# KiCad board final-cu.kicad_pcb (continued)
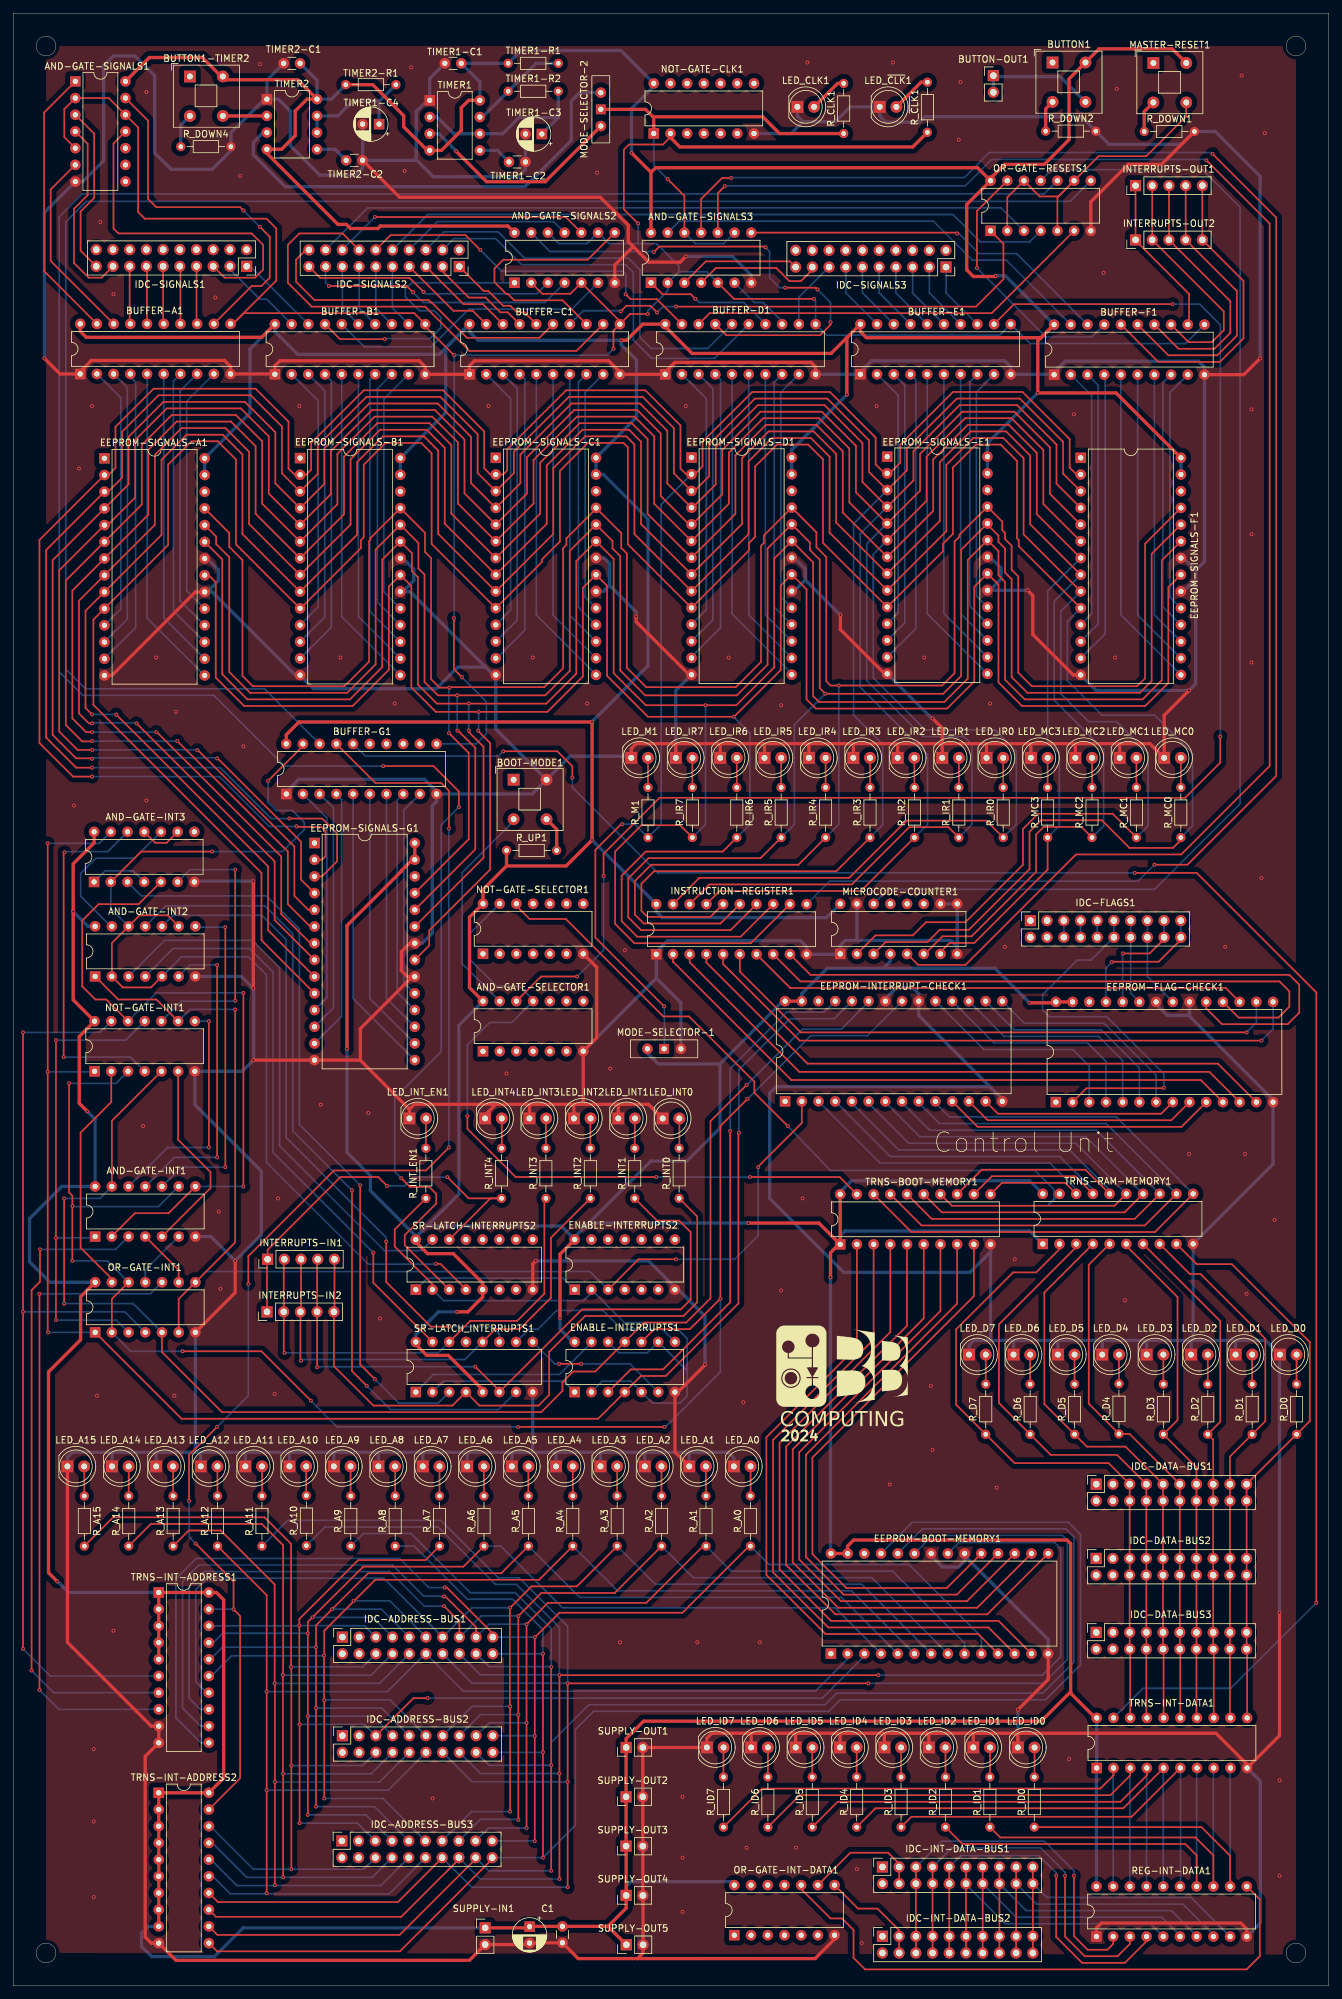
[diagram p0: board, top side]
## Placement (name value [footprint] x y rotation side) (continued)
TRNS-RAM-MEMORY1  SN74AC245N  [DIP-20_W7.62mm]  156.51 112.82 90 top

## Library data of the parts
AND-GATE-INT1-AND-GATE-INT3 AND-GATE-SELECTOR1 AND-GATE-SIGNALS1-AND-GATE-SIGNALS3 ENABLE-INTERRUPTS1 ENABLE-INTERRUPTS2 = -: Datasheet: https://datasheet.datasheetarchive.com/originals/distributors/Datasheets-SFU2/DSASFU100028830.pdf; Description: AND Gate Quad 2-IN CMOS 14-Pin PDIP; Height: 5.08; Mouser Part Number: 595-CD4081BEE4; Mouser Price/Stock: https://www.mouser.co.uk/ProductDetail/Texas-Instruments/CD4081BEE4?qs=HTr%252BoA4jRiloxIEWd2QErQ%3D%3D; Manufacturer_Name: Texas Instruments
BOOT-MODE1 BUTTON1 BUTTON1-TIMER2 MASTER-RESET1 = -: Datasheet: http://www.apem.com/int/index.php?controller=attachment&id_attachment=1371; Description: MEC 5E single pole normally-open tactile switch; ki_fp_filters: SW*MEC*5G*
BUFFER-A1 BUFFER-B1 BUFFER-C1 BUFFER-D1 BUFFER-E1 BUFFER-F1 BUFFER-G1 INSTRUCTION-REGISTER1 REG-INT-DATA1 = -: Datasheet: http://componentsearchengine.com/Datasheets/1/SN74HC574N.pdf; Description: OCTAL EDGE-TRIGGERED D-TYPE FLIP-FLOPS WITH 3-STATE OUTPUTS; Height: 5.08; Mouser Part Number: 595-SN74HC574N; Mouser Price/Stock: https://www.mouser.co.uk/ProductDetail/Texas-Instruments/SN74HC574N?qs=7KMwW2o1%252BmTGh61cX6rAtQ%3D%3D; Manufacturer_Name: Texas Instruments
BUTTON-OUT1 SUPPLY-IN1 SUPPLY-OUT1-SUPPLY-OUT5 = -: Description: Generic connector, single row, 01x02, script generated (kicad-library-utils/schlib/autogen/connector/); ki_fp_filters: Connector*:*_1x??_*
C1 TIMER1-C3 TIMER1-C4 = -: Description: Polarized capacitor, US symbol; ki_fp_filters: CP_*
C2 TIMER1-C1 TIMER1-C2 TIMER2-C1 TIMER2-C2 = -: Description: Unpolarized capacitor; ki_fp_filters: C_*
EEPROM-BOOT-MEMORY1 EEPROM-FLAG-CHECK1 EEPROM-INTERRUPT-CHECK1 EEPROM-SIGNALS-A1 EEPROM-SIGNALS-B1 EEPROM-SIGNALS-C1 EEPROM-SIGNALS-D1 EEPROM-SIGNALS-E1 EEPROM-SIGNALS-F1 EEPROM-SIGNALS-G1 = -: Datasheet: http://www.atmel.com/images/doc0270.pdf; Description: AT28C64B-15PU, Parallel EEPROM Memory 64kbit, Parallel, 150ns 4.5  5.5 V, 28-Pin PDIP; Height: 4.826; Mouser Part Number: 556-AT28C64B15PU; Mouser Price/Stock: https://www.mouser.co.uk/ProductDetail/Microchip-Technology/AT28C64B-15PU?qs=2VKgqYuc3OvipbcAuBcLow%3D%3D; Manufacturer_Name: Microchip
IDC-ADDRESS-BUS1-IDC-ADDRESS-BUS3 IDC-DATA-BUS1-IDC-DATA-BUS3 IDC-FLAGS1 IDC-INT-DATA-BUS1 IDC-INT-DATA-BUS2 IDC-SIGNALS1-IDC-SIGNALS3 = -: Datasheet: https://www.tme.eu/Document/e9117e1c80532ff2c20cc520b4694ed9/DS1013.pdf; Description: Socket; IDC; male; PIN: 20; straight; THT; gold-plated; 2.54mm; Height: 9.55; Manufacturer_Name: Connfly
INTERRUPTS-IN1 INTERRUPTS-IN2 INTERRUPTS-OUT1 INTERRUPTS-OUT2 = -: Description: Generic connector, single row, 01x05, script generated (kicad-library-utils/schlib/autogen/connector/); ki_fp_filters: Connector*:*_1x??_*
LED_A0-LED_A15 LED_CLK1 LED_D0-LED_D7 LED_ID0-LED_ID7 LED_INT0-LED_INT4 LED_INT_EN1 LED_IR0-LED_IR7 LED_M1 LED_MC0-LED_MC3 LED_~{CLK}1 = -: Description: Light emitting diode; ki_fp_filters: LED* LED_SMD:* LED_THT:*
MICROCODE-COUNTER1 = -: Datasheet: http://www.ti.com/lit/ds/symlink/cd74hc192.pdf; Description: Counter Single 4-Bit Sync Binary UP/Down CD74HC193E, 4-stage Binary Counter Up/Down Counter, Bi-Directional, 2  6 V, 16-Pin PDIP; Height: 5.08; Mouser Part Number: 595-CD74HC193E; Mouser Price/Stock: https://www.mouser.co.uk/ProductDetail/Texas-Instruments/CD74HC193E/?qs=YxwvVplHM%2FnIFxccYhgPNA%3D%3D; Manufacturer_Name: Texas Instruments
MODE-SELECTOR-1 MODE-SELECTOR-2 = -: Description: Switch, dual pole double throw, separate symbols; ki_fp_filters: SW*DPDT*
NOT-GATE-CLK1 NOT-GATE-INT1 NOT-GATE-SELECTOR1 = -: Datasheet: http://www.ti.com/lit/ds/symlink/cd74hc04.pdf; Description: High Speed CMOS Logic Hex Inverters; Height: 5.08; Mouser Part Number: 595-CD74HC04E; Mouser Price/Stock: https://www.mouser.co.uk/ProductDetail/Texas-Instruments/CD74HC04E?qs=st7IWvlL5%2FgJ10Ud3pnBSA%3D%3D; Manufacturer_Name: Texas Instruments
OR-GATE-INT1 OR-GATE-INT-DATA1 OR-GATE-RESETS1 = -: Datasheet: https://www.arrow.com/en/products/cd4071bee4/texas-instruments; Description: OR Gate 4-Element 2-IN CMOS 14-Pin PDIP Tube; Height: 5.08; Mouser Part Number: 595-CD4071BEE4; Mouser Price/Stock: https://www.mouser.co.uk/ProductDetail/Texas-Instruments/CD4071BEE4?qs=HTr%252BoA4jRiljiW0C8Y67gw%3D%3D; Manufacturer_Name: Texas Instruments
R_A0-R_A15 R_CLK1 R_D0-R_D7 R_DOWN1 R_DOWN2 R_DOWN4 R_ID0-R_ID7 R_INT0-R_INT4 R_INT_EN1 R_IR0-R_IR7 R_M1 R_MC0-R_MC3 R_UP1 R_~{CLK}1 TIMER1-R1 TIMER1-R2 TIMER2-R1 = -: Description: Resistor, US symbol; ki_fp_filters: R_*
SR-LATCH-INTERRUPTS2 SR-LATCH_INTERRUPTS1 = -: Datasheet: https://www.arrow.com/en/products/cd4043bee4/texas-instruments; Description: Latch Transparent 3-ST 4-CH SR-Type 16-Pin PDIP Tube; Height: 5.08; Mouser Part Number: 595-CD4043BEE4; Mouser Price/Stock: https://www.mouser.co.uk/ProductDetail/Texas-Instruments/CD4043BEE4?qs=LSR%252BNeaw%2FwCLzQGHF2OlCw%3D%3D; Manufacturer_Name: Texas Instruments
TIMER1 TIMER2 = -: Datasheet: http://www.ti.com/lit/ds/symlink/lmc555.pdf; Description: CMOS Timer, 555 compatible, PDIP-8; ki_fp_filters: DIP*W7.62mm*
TRNS-BOOT-MEMORY1 TRNS-INT-ADDRESS1 TRNS-INT-ADDRESS2 TRNS-INT-DATA1 TRNS-RAM-MEMORY1 = -: Datasheet: http://www.ti.com/lit/gpn/sn74ac245; Description: Octal Bus Transceivers With 3-State Outputs; Height: 5.08; Mouser Part Number: 595-SN74AC245N; Mouser Price/Stock: https://www.mouser.co.uk/ProductDetail/Texas-Instruments/SN74AC245N?qs=L5CvrNUdZiqC%2FBoZzkIB7Q%3D%3D; Manufacturer_Name: Texas Instruments

## Footprints (pads in the part's own frame, mm; a bottom-side part is the same pattern mirrored in y, then rotated)
C_Disc_D3.0mm_W1.6mm_P2.50mm
  round 1.6 hole 0.8: 1(0,0) 2(2.5,0)
CP_Radial_D5.0mm_P2.50mm
  rect 1.6x1.6 hole 0.8: 1(0,0)
  round 1.6 hole 0.8: 2(2.5,0)
DIP-8_W7.62mm
  rect 1.6x1.6 hole 0.8: 1(0,0)
  oval 1.6x1.6 hole 0.8: 2(0,-2.54) 3(0,-5.08) 4(0,-7.62) 5(7.62,-7.62) 6(7.62,-5.08) 7(7.62,-2.54) 8(7.62,0)
DIP-14_W7.62mm
  rect 1.6x1.6 hole 0.8: 1(0,0)
  oval 1.6x1.6 hole 0.8: 2(0,-2.54) 3(0,-5.08) 4(0,-7.62) 5(0,-10.16) 6(0,-12.7) 7(0,-15.24) 8(7.62,-15.24) 9(7.62,-12.7) 10(7.62,-10.16) 11(7.62,-7.62) 12(7.62,-5.08) 13(7.62,-2.54) 14(7.62,0)
DIP-16_W7.62mm
  rect 1.6x1.6 hole 0.8: 1(0,0)
  oval 1.6x1.6 hole 0.8: 2(0,-2.54) 3(0,-5.08) 4(0,-7.62) 5(0,-10.16) 6(0,-12.7) 7(0,-15.24) 8(0,-17.78) 9(7.62,-17.78) 10(7.62,-15.24) 11(7.62,-12.7) 12(7.62,-10.16) 13(7.62,-7.62) 14(7.62,-5.08) 15(7.62,-2.54) 16(7.62,0)
DIP-20_W7.62mm
  rect 1.6x1.6 hole 0.8: 1(0,0)
  oval 1.6x1.6 hole 0.8: 2(0,-2.54) 3(0,-5.08) 4(0,-7.62) 5(0,-10.16) 6(0,-12.7) 7(0,-15.24) 8(0,-17.78) 9(0,-20.32) 10(0,-22.86) 11(7.62,-22.86) 12(7.62,-20.32) 13(7.62,-17.78) 14(7.62,-15.24) 15(7.62,-12.7) 16(7.62,-10.16) 17(7.62,-7.62) 18(7.62,-5.08) 19(7.62,-2.54) 20(7.62,0)
DIP-28_W15.24mm
  rect 1.6x1.6 hole 0.8: 1(0,0)
  oval 1.6x1.6 hole 0.8: 2(0,-2.54) 3(0,-5.08) 4(0,-7.62) 5(0,-10.16) 6(0,-12.7) 7(0,-15.24) 8(0,-17.78) 9(0,-20.32) 10(0,-22.86) 11(0,-25.4) 12(0,-27.94) 13(0,-30.48) 14(0,-33.02) 15(15.24,-33.02) 16(15.24,-30.48) 17(15.24,-27.94) 18(15.24,-25.4) 19(15.24,-22.86) 20(15.24,-20.32) 21(15.24,-17.78) 22(15.24,-15.24) 23(15.24,-12.7) 24(15.24,-10.16) 25(15.24,-7.62) 26(15.24,-5.08) 27(15.24,-2.54) 28(15.24,0)
LED_D5.0mm_FlatTop
  rect 1.8x1.8 hole 0.9: 1(0,0)
  round 1.8 hole 0.9: 2(2.54,0)
PinHeader_1x02_P2.54mm_Vertical
  rect 1.7x1.7 hole 1: 1(0,0)
  oval 1.7x1.7 hole 1: 2(0,-2.54)
PinHeader_1x05_P2.54mm_Vertical
  rect 1.7x1.7 hole 1: 1(0,0)
  oval 1.7x1.7 hole 1: 2(0,-2.54) 3(0,-5.08) 4(0,-7.62) 5(0,-10.16)
PinSocket_2x10_P2.54mm_Vertical
  rect 1.7x1.7 hole 1: 1(0,0)
  oval 1.7x1.7 hole 1: 2(-2.54,0) 3(0,-2.54) 4(-2.54,-2.54) 5(0,-5.08) 6(-2.54,-5.08) 7(0,-7.62) 8(-2.54,-7.62) 9(0,-10.16) 10(-2.54,-10.16) 11(0,-12.7) 12(-2.54,-12.7) 13(0,-15.24) 14(-2.54,-15.24) 15(0,-17.78) 16(-2.54,-17.78) 17(0,-20.32) 18(-2.54,-20.32) 19(0,-22.86) 20(-2.54,-22.86)
R_Axial_DIN0204_L3.6mm_D1.6mm_P7.62mm_Horizontal
  round 1.4 hole 0.7: 1(0,0)
  oval 1.4x1.4 hole 0.7: 2(7.62,0)
SW_Push_2P1T_Toggle_CK_PVA1xxH1xxxxxxV2
  rect 1.8x1.8 hole 0.9: 1(0,0)
  round 1.8 hole 0.9: 2(5,0) 3(0,-6) 4(5,-6)
SW_Slide-03_Wuerth-WS-SLTV_10x2.5x6.4_P2.54mm
  round 1.6 hole 0.8: 1(-2.54,0) 3(2.54,0)
  rect 1.5x1.5 hole 0.8: 2(0,0)

## Nets
GND: AND-GATE-INT1.7 AND-GATE-INT2.7 AND-GATE-INT3.7 AND-GATE-SELECTOR1.7 AND-GATE-SIGNALS1.7 AND-GATE-SIGNALS2.7 AND-GATE-SIGNALS3.7 BOOT-MODE1.2 BUFFER-A1.1 BUFFER-A1.10 BUFFER-B1.1 BUFFER-B1.10 BUFFER-C1.1 BUFFER-C1.10 BUFFER-D1.1 BUFFER-D1.10 BUFFER-E1.1 BUFFER-E1.10 BUFFER-F1.1 BUFFER-F1.10 BUFFER-G1.1 BUFFER-G1.10 C1.2 C2.2 EEPROM-BOOT-MEMORY1.14 EEPROM-BOOT-MEMORY1.20 EEPROM-BOOT-MEMORY1.22 EEPROM-FLAG-CHECK1.14 EEPROM-FLAG-CHECK1.20 EEPROM-FLAG-CHECK1.22 EEPROM-INTERRUPT-CHECK1.14 EEPROM-INTERRUPT-CHECK1.20 EEPROM-INTERRUPT-CHECK1.22 EEPROM-SIGNALS-A1.14 EEPROM-SIGNALS-A1.20 EEPROM-SIGNALS-A1.22 EEPROM-SIGNALS-B1.14 EEPROM-SIGNALS-B1.20 EEPROM-SIGNALS-B1.22 EEPROM-SIGNALS-C1.14 EEPROM-SIGNALS-C1.20 EEPROM-SIGNALS-C1.22 EEPROM-SIGNALS-D1.14 EEPROM-SIGNALS-D1.20 EEPROM-SIGNALS-D1.22 EEPROM-SIGNALS-E1.14 EEPROM-SIGNALS-E1.20 EEPROM-SIGNALS-E1.22 EEPROM-SIGNALS-F1.14 EEPROM-SIGNALS-F1.20 EEPROM-SIGNALS-F1.22 EEPROM-SIGNALS-G1.14 EEPROM-SIGNALS-G1.20 EEPROM-SIGNALS-G1.22 ENABLE-INTERRUPTS1.7 ENABLE-INTERRUPTS2.7 INSTRUCTION-REGISTER1.1 INSTRUCTION-REGISTER1.10 LED_A0.1 LED_A1.1 LED_A2.1 LED_A3.1 LED_A4.1 LED_A5.1 LED_A6.1 LED_A7.1 LED_A8.1 LED_A9.1 LED_A10.1 LED_A11.1 LED_A12.1 LED_A13.1 LED_A14.1 LED_A15.1 LED_CLK1.1 LED_D0.1 LED_D1.1 LED_D2.1 LED_D3.1 LED_D4.1 LED_D5.1 LED_D6.1 LED_D7.1 LED_ID0.1 LED_ID1.1 LED_ID2.1 LED_ID3.1 LED_ID4.1 LED_ID5.1 LED_ID6.1 LED_ID7.1 LED_INT0.1 LED_INT1.1 LED_INT2.1 LED_INT3.1 LED_INT4.1 LED_INT_EN1.1 LED_IR0.1 LED_IR1.1 LED_IR2.1 LED_IR3.1 LED_IR4.1 LED_IR5.1 LED_IR6.1 LED_IR7.1 LED_M1.1 LED_MC0.1 LED_MC1.1 LED_MC2.1 LED_MC3.1 LED_~{CLK}1.1 MICROCODE-COUNTER1.1 MICROCODE-COUNTER1.8 MICROCODE-COUNTER1.9 MICROCODE-COUNTER1.10 MICROCODE-COUNTER1.15 MODE-SELECTOR-1.3 NOT-GATE-CLK1.7 NOT-GATE-INT1.7 NOT-GATE-SELECTOR1.7 OR-GATE-INT1.7 OR-GATE-INT-DATA1.7 OR-GATE-RESETS1.7 R_DOWN1.2 R_DOWN2.2 R_DOWN4.2 REG-INT-DATA1.1 REG-INT-DATA1.10 SR-LATCH-INTERRUPTS2.8 SR-LATCH_INTERRUPTS1.8 SUPPLY-IN1.2 SUPPLY-OUT1.2 SUPPLY-OUT2.2 SUPPLY-OUT3.2 SUPPLY-OUT4.2 SUPPLY-OUT5.2 TIMER1.1 TIMER1-C1.2 TIMER1-C2.2 TIMER1-C3.2 TIMER1-C4.2 TIMER2.1 TIMER2-C1.2 TIMER2-C2.2 TRNS-BOOT-MEMORY1.10 TRNS-INT-ADDRESS1.9 TRNS-INT-ADDRESS1.10 TRNS-INT-ADDRESS2.10 TRNS-INT-DATA1.10 TRNS-RAM-MEMORY1.10
VCC: AND-GATE-INT1.14 AND-GATE-INT2.14 AND-GATE-INT3.14 AND-GATE-SELECTOR1.14 AND-GATE-SIGNALS1.14 AND-GATE-SIGNALS2.14 AND-GATE-SIGNALS3.14 BUFFER-A1.20 BUFFER-B1.20 BUFFER-C1.20 BUFFER-D1.20 BUFFER-E1.20 BUFFER-F1.20 BUFFER-G1.20 BUTTON1.2 BUTTON1-TIMER2.2 C1.1 C2.1 EEPROM-BOOT-MEMORY1.27 EEPROM-BOOT-MEMORY1.28 EEPROM-FLAG-CHECK1.27 EEPROM-FLAG-CHECK1.28 EEPROM-INTERRUPT-CHECK1.27 EEPROM-INTERRUPT-CHECK1.28 EEPROM-SIGNALS-A1.27 EEPROM-SIGNALS-A1.28 EEPROM-SIGNALS-B1.27 EEPROM-SIGNALS-B1.28 EEPROM-SIGNALS-C1.27 EEPROM-SIGNALS-C1.28 EEPROM-SIGNALS-D1.27 EEPROM-SIGNALS-D1.28 EEPROM-SIGNALS-E1.27 EEPROM-SIGNALS-E1.28 EEPROM-SIGNALS-F1.27 EEPROM-SIGNALS-F1.28 EEPROM-SIGNALS-G1.27 EEPROM-SIGNALS-G1.28 ENABLE-INTERRUPTS1.14 ENABLE-INTERRUPTS2.14 INSTRUCTION-REGISTER1.20 MASTER-RESET1.2 MICROCODE-COUNTER1.4 MICROCODE-COUNTER1.16 MODE-SELECTOR-1.1 NOT-GATE-CLK1.14 NOT-GATE-INT1.14 NOT-GATE-SELECTOR1.14 OR-GATE-INT1.14 OR-GATE-INT-DATA1.14 OR-GATE-RESETS1.14 R_UP1.1 REG-INT-DATA1.20 SR-LATCH-INTERRUPTS2.5 SR-LATCH-INTERRUPTS2.16 SR-LATCH_INTERRUPTS1.5 SR-LATCH_INTERRUPTS1.16 SUPPLY-IN1.1 SUPPLY-OUT1.1 SUPPLY-OUT2.1 SUPPLY-OUT3.1 SUPPLY-OUT4.1 SUPPLY-OUT5.1 TIMER1.4 TIMER1.8 TIMER1-C1.1 TIMER1-R1.1 TIMER2.4 TIMER2.8 TIMER2-C1.1 TIMER2-R1.1 TRNS-BOOT-MEMORY1.1 TRNS-BOOT-MEMORY1.20 TRNS-INT-ADDRESS1.1 TRNS-INT-ADDRESS1.2 TRNS-INT-ADDRESS1.3 TRNS-INT-ADDRESS1.4 TRNS-INT-ADDRESS1.5 TRNS-INT-ADDRESS1.20 TRNS-INT-ADDRESS2.1 TRNS-INT-ADDRESS2.2 TRNS-INT-ADDRESS2.3 TRNS-INT-ADDRESS2.4 TRNS-INT-ADDRESS2.5 TRNS-INT-ADDRESS2.6 TRNS-INT-ADDRESS2.7 TRNS-INT-ADDRESS2.8 TRNS-INT-ADDRESS2.9 TRNS-INT-ADDRESS2.20 TRNS-INT-DATA1.1 TRNS-INT-DATA1.20 TRNS-RAM-MEMORY1.1 TRNS-RAM-MEMORY1.20
(INT_1``_OR_INT_2``)_AND_(~{INT_3``_OR_INT_4``}): AND-GATE-INT1.3 TRNS-INT-ADDRESS1.7
(~{INT_3``}_AND_(~{INT_1``}_OR_INT_2``))_OR_INT_4``: OR-GATE-INT1.10 TRNS-INT-ADDRESS1.8
ADDRESS0: EEPROM-BOOT-MEMORY1.10 IDC-ADDRESS-BUS1.19 IDC-ADDRESS-BUS2.19 IDC-ADDRESS-BUS3.19 R_A0.1 TRNS-INT-ADDRESS1.11
ADDRESS1: EEPROM-BOOT-MEMORY1.9 IDC-ADDRESS-BUS1.17 IDC-ADDRESS-BUS2.17 IDC-ADDRESS-BUS3.17 R_A1.1 TRNS-INT-ADDRESS1.12
ADDRESS2: EEPROM-BOOT-MEMORY1.8 IDC-ADDRESS-BUS1.15 IDC-ADDRESS-BUS2.15 IDC-ADDRESS-BUS3.15 R_A2.1 TRNS-INT-ADDRESS1.13
ADDRESS3: EEPROM-BOOT-MEMORY1.7 IDC-ADDRESS-BUS1.13 IDC-ADDRESS-BUS2.13 IDC-ADDRESS-BUS3.13 R_A3.1 TRNS-INT-ADDRESS1.14
ADDRESS4: EEPROM-BOOT-MEMORY1.6 IDC-ADDRESS-BUS1.11 IDC-ADDRESS-BUS2.11 IDC-ADDRESS-BUS3.11 R_A4.1 TRNS-INT-ADDRESS1.15
ADDRESS5: EEPROM-BOOT-MEMORY1.5 IDC-ADDRESS-BUS1.9 IDC-ADDRESS-BUS2.9 IDC-ADDRESS-BUS3.9 R_A5.1 TRNS-INT-ADDRESS1.16
ADDRESS6: EEPROM-BOOT-MEMORY1.4 IDC-ADDRESS-BUS1.7 IDC-ADDRESS-BUS2.7 IDC-ADDRESS-BUS3.7 R_A6.1 TRNS-INT-ADDRESS1.17
ADDRESS7: EEPROM-BOOT-MEMORY1.3 IDC-ADDRESS-BUS1.5 IDC-ADDRESS-BUS2.5 IDC-ADDRESS-BUS3.5 R_A7.1 TRNS-INT-ADDRESS1.18
ADDRESS8: EEPROM-BOOT-MEMORY1.25 IDC-ADDRESS-BUS1.20 IDC-ADDRESS-BUS2.20 IDC-ADDRESS-BUS3.20 R_A8.1 TRNS-INT-ADDRESS2.11
ADDRESS9: EEPROM-BOOT-MEMORY1.24 IDC-ADDRESS-BUS1.18 IDC-ADDRESS-BUS2.18 IDC-ADDRESS-BUS3.18 R_A9.1 TRNS-INT-ADDRESS2.12
ADDRESS10: EEPROM-BOOT-MEMORY1.21 IDC-ADDRESS-BUS1.16 IDC-ADDRESS-BUS2.16 IDC-ADDRESS-BUS3.16 R_A10.1 TRNS-INT-ADDRESS2.13
ADDRESS11: EEPROM-BOOT-MEMORY1.23 IDC-ADDRESS-BUS1.14 IDC-ADDRESS-BUS2.14 IDC-ADDRESS-BUS3.14 R_A11.1 TRNS-INT-ADDRESS2.14
ADDRESS12: EEPROM-BOOT-MEMORY1.2 IDC-ADDRESS-BUS1.12 IDC-ADDRESS-BUS2.12 IDC-ADDRESS-BUS3.12 R_A12.1 TRNS-INT-ADDRESS2.15
ADDRESS13: IDC-ADDRESS-BUS1.10 IDC-ADDRESS-BUS2.10 IDC-ADDRESS-BUS3.10 R_A13.1 TRNS-INT-ADDRESS2.16
ADDRESS14: IDC-ADDRESS-BUS1.8 IDC-ADDRESS-BUS2.8 IDC-ADDRESS-BUS3.8 R_A14.1 TRNS-INT-ADDRESS2.17
ADDRESS15: IDC-ADDRESS-BUS1.6 IDC-ADDRESS-BUS2.6 IDC-ADDRESS-BUS3.6 R_A15.2 TRNS-INT-ADDRESS2.18
ALU_OPC_0: BUFFER-A1.17 IDC-SIGNALS1.15
ALU_OPC_1: BUFFER-A1.16 IDC-SIGNALS1.13
ALU_OPC_2: BUFFER-A1.15 IDC-SIGNALS1.11
ALU_OPC_3: BUFFER-A1.14 IDC-SIGNALS1.9
ALU_OPC_4: BUFFER-A1.13 IDC-SIGNALS1.7
CLK: AND-GATE-SIGNALS3.9 AND-GATE-SIGNALS3.12 MODE-SELECTOR-2.2 NOT-GATE-CLK1.1 R_CLK1.1
DATA0: IDC-DATA-BUS1.19 IDC-DATA-BUS1.20 IDC-DATA-BUS2.19 IDC-DATA-BUS2.20 IDC-DATA-BUS3.19 IDC-DATA-BUS3.20 R_D0.1 TRNS-INT-DATA1.11 TRNS-RAM-MEMORY1.9
DATA1: IDC-DATA-BUS1.17 IDC-DATA-BUS1.18 IDC-DATA-BUS2.17 IDC-DATA-BUS2.18 IDC-DATA-BUS3.17 IDC-DATA-BUS3.18 R_D1.1 TRNS-INT-DATA1.12 TRNS-RAM-MEMORY1.8
DATA2: IDC-DATA-BUS1.15 IDC-DATA-BUS1.16 IDC-DATA-BUS2.15 IDC-DATA-BUS2.16 IDC-DATA-BUS3.15 IDC-DATA-BUS3.16 R_D2.1 TRNS-INT-DATA1.13 TRNS-RAM-MEMORY1.7
DATA3: IDC-DATA-BUS1.13 IDC-DATA-BUS1.14 IDC-DATA-BUS2.13 IDC-DATA-BUS2.14 IDC-DATA-BUS3.13 IDC-DATA-BUS3.14 R_D3.1 TRNS-INT-DATA1.14 TRNS-RAM-MEMORY1.6
DATA4: IDC-DATA-BUS1.11 IDC-DATA-BUS1.12 IDC-DATA-BUS2.11 IDC-DATA-BUS2.12 IDC-DATA-BUS3.11 IDC-DATA-BUS3.12 R_D4.1 TRNS-INT-DATA1.15 TRNS-RAM-MEMORY1.5
DATA5: IDC-DATA-BUS1.9 IDC-DATA-BUS1.10 IDC-DATA-BUS2.9 IDC-DATA-BUS2.10 IDC-DATA-BUS3.9 IDC-DATA-BUS3.10 R_D5.1 TRNS-INT-DATA1.16 TRNS-RAM-MEMORY1.4
DATA6: IDC-DATA-BUS1.7 IDC-DATA-BUS1.8 IDC-DATA-BUS2.7 IDC-DATA-BUS2.8 IDC-DATA-BUS3.7 IDC-DATA-BUS3.8 R_D6.1 TRNS-INT-DATA1.17 TRNS-RAM-MEMORY1.3
DATA7: IDC-DATA-BUS1.5 IDC-DATA-BUS1.6 IDC-DATA-BUS2.5 IDC-DATA-BUS2.6 IDC-DATA-BUS3.5 IDC-DATA-BUS3.6 R_D7.1 TRNS-INT-DATA1.18 TRNS-RAM-MEMORY1.2
FLAG0: EEPROM-FLAG-CHECK1.25 IDC-FLAGS1.19 IDC-FLAGS1.20
FLAG1: EEPROM-FLAG-CHECK1.24 IDC-FLAGS1.17 IDC-FLAGS1.18
FLAG2: EEPROM-FLAG-CHECK1.21 IDC-FLAGS1.15 IDC-FLAGS1.16
FLAG3: EEPROM-FLAG-CHECK1.23 IDC-FLAGS1.13 IDC-FLAGS1.14
FLAG4: EEPROM-FLAG-CHECK1.2 IDC-FLAGS1.11 IDC-FLAGS1.12
FLAG5: IDC-FLAGS1.9 IDC-FLAGS1.10
FLAG6: IDC-FLAGS1.7 IDC-FLAGS1.8
FLAG7: IDC-FLAGS1.5 IDC-FLAGS1.6
INT_0: INTERRUPTS-IN1.5 INTERRUPTS-IN2.5 R_INT0.1 SR-LATCH_INTERRUPTS1.4
INT_0`: ENABLE-INTERRUPTS1.1 SR-LATCH_INTERRUPTS1.2
INT_0``: EEPROM-INTERRUPT-CHECK1.25 ENABLE-INTERRUPTS1.3
INT_1: INTERRUPTS-IN1.4 INTERRUPTS-IN2.4 R_INT1.1 SR-LATCH_INTERRUPTS1.6
INT_1`: ENABLE-INTERRUPTS1.6 SR-LATCH_INTERRUPTS1.9
INT_1``: AND-GATE-INT3.13 EEPROM-INTERRUPT-CHECK1.24 ENABLE-INTERRUPTS1.4 NOT-GATE-INT1.1 OR-GATE-INT1.1
INT_1``_AND_~{INT_2``}_AND_(~{INT3``_OR_INT4``}): AND-GATE-INT2.13 AND-GATE-INT3.10
INT_1``_OR_INT_2``: AND-GATE-INT1.1 NOT-GATE-INT1.11 OR-GATE-INT1.3
INT_2: INTERRUPTS-IN1.3 INTERRUPTS-IN2.3 R_INT2.1 SR-LATCH_INTERRUPTS1.12
INT_2`: ENABLE-INTERRUPTS1.8 SR-LATCH_INTERRUPTS1.10
INT_2``: AND-GATE-INT1.9 EEPROM-INTERRUPT-CHECK1.21 ENABLE-INTERRUPTS1.10 NOT-GATE-INT1.3 OR-GATE-INT1.2 OR-GATE-INT1.12
INT_2``_AND_(~{INT_3``_OR_INT_4``}): AND-GATE-INT1.10 AND-GATE-INT2.8
INT_3: INTERRUPTS-IN1.2 INTERRUPTS-IN2.2 R_INT3.1 SR-LATCH_INTERRUPTS1.14
INT_3`: ENABLE-INTERRUPTS1.13 SR-LATCH_INTERRUPTS1.1
INT_3``: AND-GATE-INT1.13 EEPROM-INTERRUPT-CHECK1.23 ENABLE-INTERRUPTS1.11 NOT-GATE-INT1.5 OR-GATE-INT1.5
INT_3``_AND_~{INT_4``}: AND-GATE-INT1.11 AND-GATE-INT2.6
INT_3``_OR_INT_4``: NOT-GATE-INT1.13 OR-GATE-INT1.4 TRNS-INT-ADDRESS1.6
INT_4: INTERRUPTS-IN1.1 INTERRUPTS-IN2.1 R_INT4.1 SR-LATCH-INTERRUPTS2.14
INT_4`: ENABLE-INTERRUPTS2.1 SR-LATCH-INTERRUPTS2.1
INT_4``: AND-GATE-INT2.1 EEPROM-INTERRUPT-CHECK1.2 ENABLE-INTERRUPTS2.3 NOT-GATE-INT1.9 OR-GATE-INT1.6 OR-GATE-INT1.8
INT_DATA0: R_ID0.1 REG-INT-DATA1.12 TRNS-INT-DATA1.9
INT_DATA1: R_ID1.1 REG-INT-DATA1.13 TRNS-INT-DATA1.8
INT_DATA2: R_ID2.1 REG-INT-DATA1.14 TRNS-INT-DATA1.7
INT_DATA3: R_ID3.1 REG-INT-DATA1.15 TRNS-INT-DATA1.6
INT_DATA4: R_ID4.1 REG-INT-DATA1.16 TRNS-INT-DATA1.5
INT_DATA5: R_ID5.1 REG-INT-DATA1.17 TRNS-INT-DATA1.4
INT_DATA6: R_ID6.1 REG-INT-DATA1.18 TRNS-INT-DATA1.3
INT_DATA7: R_ID7.1 REG-INT-DATA1.19 TRNS-INT-DATA1.2
INT_DATA_IN_0: IDC-INT-DATA-BUS1.19 IDC-INT-DATA-BUS1.20 IDC-INT-DATA-BUS2.19 IDC-INT-DATA-BUS2.20 REG-INT-DATA1.9
INT_DATA_IN_1: IDC-INT-DATA-BUS1.17 IDC-INT-DATA-BUS1.18 IDC-INT-DATA-BUS2.17 IDC-INT-DATA-BUS2.18 REG-INT-DATA1.8
INT_DATA_IN_2: IDC-INT-DATA-BUS1.15 IDC-INT-DATA-BUS1.16 IDC-INT-DATA-BUS2.15 IDC-INT-DATA-BUS2.16 REG-INT-DATA1.7
INT_DATA_IN_3: IDC-INT-DATA-BUS1.13 IDC-INT-DATA-BUS1.14 IDC-INT-DATA-BUS2.13 IDC-INT-DATA-BUS2.14 REG-INT-DATA1.6
INT_DATA_IN_4: IDC-INT-DATA-BUS1.11 IDC-INT-DATA-BUS1.12 IDC-INT-DATA-BUS2.11 IDC-INT-DATA-BUS2.12 REG-INT-DATA1.5
INT_DATA_IN_5: IDC-INT-DATA-BUS1.9 IDC-INT-DATA-BUS1.10 IDC-INT-DATA-BUS2.9 IDC-INT-DATA-BUS2.10 REG-INT-DATA1.4
INT_DATA_IN_6: IDC-INT-DATA-BUS1.7 IDC-INT-DATA-BUS1.8 IDC-INT-DATA-BUS2.7 IDC-INT-DATA-BUS2.8 REG-INT-DATA1.3
INT_DATA_IN_7: IDC-INT-DATA-BUS1.5 IDC-INT-DATA-BUS1.6 IDC-INT-DATA-BUS2.5 IDC-INT-DATA-BUS2.6 REG-INT-DATA1.2
INT_ENABLE: ENABLE-INTERRUPTS1.2 ENABLE-INTERRUPTS1.5 ENABLE-INTERRUPTS1.9 ENABLE-INTERRUPTS1.12 ENABLE-INTERRUPTS2.2 R_INT_EN1.1 SR-LATCH-INTERRUPTS2.2
INT_OUT_0: BUFFER-F1.16 INTERRUPTS-OUT1.5 INTERRUPTS-OUT2.5
INT_OUT_1: BUFFER-F1.15 INTERRUPTS-OUT1.4 INTERRUPTS-OUT2.4
INT_OUT_2: BUFFER-F1.14 INTERRUPTS-OUT1.3 INTERRUPTS-OUT2.3
INT_OUT_3: BUFFER-F1.13 INTERRUPTS-OUT1.2 INTERRUPTS-OUT2.2
INT_OUT_4: BUFFER-F1.12 INTERRUPTS-OUT1.1 INTERRUPTS-OUT2.1
IR0: EEPROM-SIGNALS-A1.6 EEPROM-SIGNALS-B1.6 EEPROM-SIGNALS-C1.6 EEPROM-SIGNALS-D1.6 EEPROM-SIGNALS-E1.6 EEPROM-SIGNALS-F1.6 EEPROM-SIGNALS-G1.6 INSTRUCTION-REGISTER1.19 R_IR0.1
IR1: EEPROM-SIGNALS-A1.5 EEPROM-SIGNALS-B1.5 EEPROM-SIGNALS-C1.5 EEPROM-SIGNALS-D1.5 EEPROM-SIGNALS-E1.5 EEPROM-SIGNALS-F1.5 EEPROM-SIGNALS-G1.5 INSTRUCTION-REGISTER1.18 R_IR1.1
IR2: EEPROM-SIGNALS-A1.4 EEPROM-SIGNALS-B1.4 EEPROM-SIGNALS-C1.4 EEPROM-SIGNALS-D1.4 EEPROM-SIGNALS-E1.4 EEPROM-SIGNALS-F1.4 EEPROM-SIGNALS-G1.4 INSTRUCTION-REGISTER1.17 R_IR2.1
IR3: EEPROM-SIGNALS-A1.3 EEPROM-SIGNALS-B1.3 EEPROM-SIGNALS-C1.3 EEPROM-SIGNALS-D1.3 EEPROM-SIGNALS-E1.3 EEPROM-SIGNALS-F1.3 EEPROM-SIGNALS-G1.3 INSTRUCTION-REGISTER1.16 R_IR3.1
IR4: EEPROM-SIGNALS-A1.25 EEPROM-SIGNALS-B1.25 EEPROM-SIGNALS-C1.25 EEPROM-SIGNALS-D1.25 EEPROM-SIGNALS-E1.25 EEPROM-SIGNALS-F1.25 EEPROM-SIGNALS-G1.25 INSTRUCTION-REGISTER1.15 R_IR4.1
IR5: EEPROM-SIGNALS-A1.24 EEPROM-SIGNALS-B1.24 EEPROM-SIGNALS-C1.24 EEPROM-SIGNALS-D1.24 EEPROM-SIGNALS-E1.24 EEPROM-SIGNALS-F1.24 EEPROM-SIGNALS-G1.24 INSTRUCTION-REGISTER1.14 R_IR5.1
IR6: EEPROM-SIGNALS-A1.21 EEPROM-SIGNALS-B1.21 EEPROM-SIGNALS-C1.21 EEPROM-SIGNALS-D1.21 EEPROM-SIGNALS-E1.21 EEPROM-SIGNALS-F1.21 EEPROM-SIGNALS-G1.21 INSTRUCTION-REGISTER1.13 R_IR6.2
IR7: EEPROM-SIGNALS-A1.23 EEPROM-SIGNALS-B1.23 EEPROM-SIGNALS-C1.23 EEPROM-SIGNALS-D1.23 EEPROM-SIGNALS-E1.23 EEPROM-SIGNALS-F1.23 EEPROM-SIGNALS-G1.23 INSTRUCTION-REGISTER1.12 R_IR7.1
MASTER_RESET: MASTER-RESET1.4 OR-GATE-RESETS1.2 OR-GATE-RESETS1.5 OR-GATE-RESETS1.9 OR-GATE-RESETS1.12
MC0: EEPROM-SIGNALS-A1.10 EEPROM-SIGNALS-B1.10 EEPROM-SIGNALS-C1.10 EEPROM-SIGNALS-D1.10 EEPROM-SIGNALS-E1.10 EEPROM-SIGNALS-F1.10 EEPROM-SIGNALS-G1.10 MICROCODE-COUNTER1.3 R_MC0.1
MC1: EEPROM-SIGNALS-A1.9 EEPROM-SIGNALS-B1.9 EEPROM-SIGNALS-C1.9 EEPROM-SIGNALS-D1.9 EEPROM-SIGNALS-E1.9 EEPROM-SIGNALS-F1.9 EEPROM-SIGNALS-G1.9 MICROCODE-COUNTER1.2 R_MC1.1
MC2: EEPROM-SIGNALS-A1.8 EEPROM-SIGNALS-B1.8 EEPROM-SIGNALS-C1.8 EEPROM-SIGNALS-D1.8 EEPROM-SIGNALS-E1.8 EEPROM-SIGNALS-F1.8 EEPROM-SIGNALS-G1.8 MICROCODE-COUNTER1.6 R_MC2.1
MC3: EEPROM-SIGNALS-A1.7 EEPROM-SIGNALS-B1.7 EEPROM-SIGNALS-C1.7 EEPROM-SIGNALS-D1.7 EEPROM-SIGNALS-E1.7 EEPROM-SIGNALS-F1.7 EEPROM-SIGNALS-G1.7 MICROCODE-COUNTER1.7 R_MC3.1
MCC_RST: MICROCODE-COUNTER1.14 OR-GATE-RESETS1.11
MCC_RST': BUFFER-F1.17 OR-GATE-RESETS1.13
MCC_TICK: AND-GATE-SIGNALS3.10 MICROCODE-COUNTER1.5
MCC_TICK`: AND-GATE-SIGNALS3.8 BUFFER-F1.18
MEM_PART: BUFFER-E1.18 IDC-SIGNALS3.11
MEMORY_SELECTOR: AND-GATE-SELECTOR1.12 BUFFER-E1.12
MODE: EEPROM-SIGNALS-A1.2 EEPROM-SIGNALS-B1.2 EEPROM-SIGNALS-C1.2 EEPROM-SIGNALS-D1.2 EEPROM-SIGNALS-E1.2 EEPROM-SIGNALS-F1.2 EEPROM-SIGNALS-G1.2 MODE-SELECTOR-1.2 R_M1.1
PC_RST: IDC-SIGNALS2.18 OR-GATE-RESETS1.3
PC_RST': BUFFER-C1.14 OR-GATE-RESETS1.1
PC_TICK: AND-GATE-SIGNALS2.10 IDC-SIGNALS2.16
PC_TICK`: AND-GATE-SIGNALS2.8 BUFFER-C1.13
REG_A_LOAD: AND-GATE-SIGNALS1.3 IDC-SIGNALS1.19
REG_A_LOAD`: AND-GATE-SIGNALS1.1 BUFFER-A1.19
REG_B_LOAD: AND-GATE-SIGNALS1.4 IDC-SIGNALS1.17
REG_B_LOAD`: AND-GATE-SIGNALS1.6 BUFFER-A1.18
REG_F_LOAD: AND-GATE-SIGNALS1.11 IDC-SIGNALS1.5
REG_F_LOAD`: AND-GATE-SIGNALS1.13 BUFFER-A1.12
REG_INT_DATA_LOAD1: IDC-INT-DATA-BUS1.3 IDC-INT-DATA-BUS1.4 OR-GATE-INT-DATA1.9
REG_INT_DATA_LOAD2: IDC-INT-DATA-BUS2.3 IDC-INT-DATA-BUS2.4 OR-GATE-INT-DATA1.8
REG_IR_LOAD: AND-GATE-SIGNALS3.11 INSTRUCTION-REGISTER1.11
REG_IR_LOAD`: AND-GATE-SIGNALS3.13 BUFFER-F1.19
REG_MAR_LOAD: AND-GATE-SIGNALS3.3 IDC-SIGNALS3.19
REG_MAR_LOAD`: AND-GATE-SIGNALS3.1 BUFFER-D1.14
REG_MBR_LOAD: AND-GATE-SIGNALS3.4 IDC-SIGNALS3.17
REG_MBR_LOAD`: AND-GATE-SIGNALS3.6 BUFFER-D1.13
REG_MBR_WORD_DIR: BUFFER-E1.16 IDC-SIGNALS3.7
REG_TMP_ADDRESS_DIR: BUFFER-C1.18 IDC-SIGNALS2.5
REG_TMPH_DATA_DIR: BUFFER-C1.17 IDC-SIGNALS2.3
REG_TMPH_LOAD: AND-GATE-SIGNALS2.3 IDC-SIGNALS2.19